# KiCad board Z3660_v023.kicad_pcb (continued)
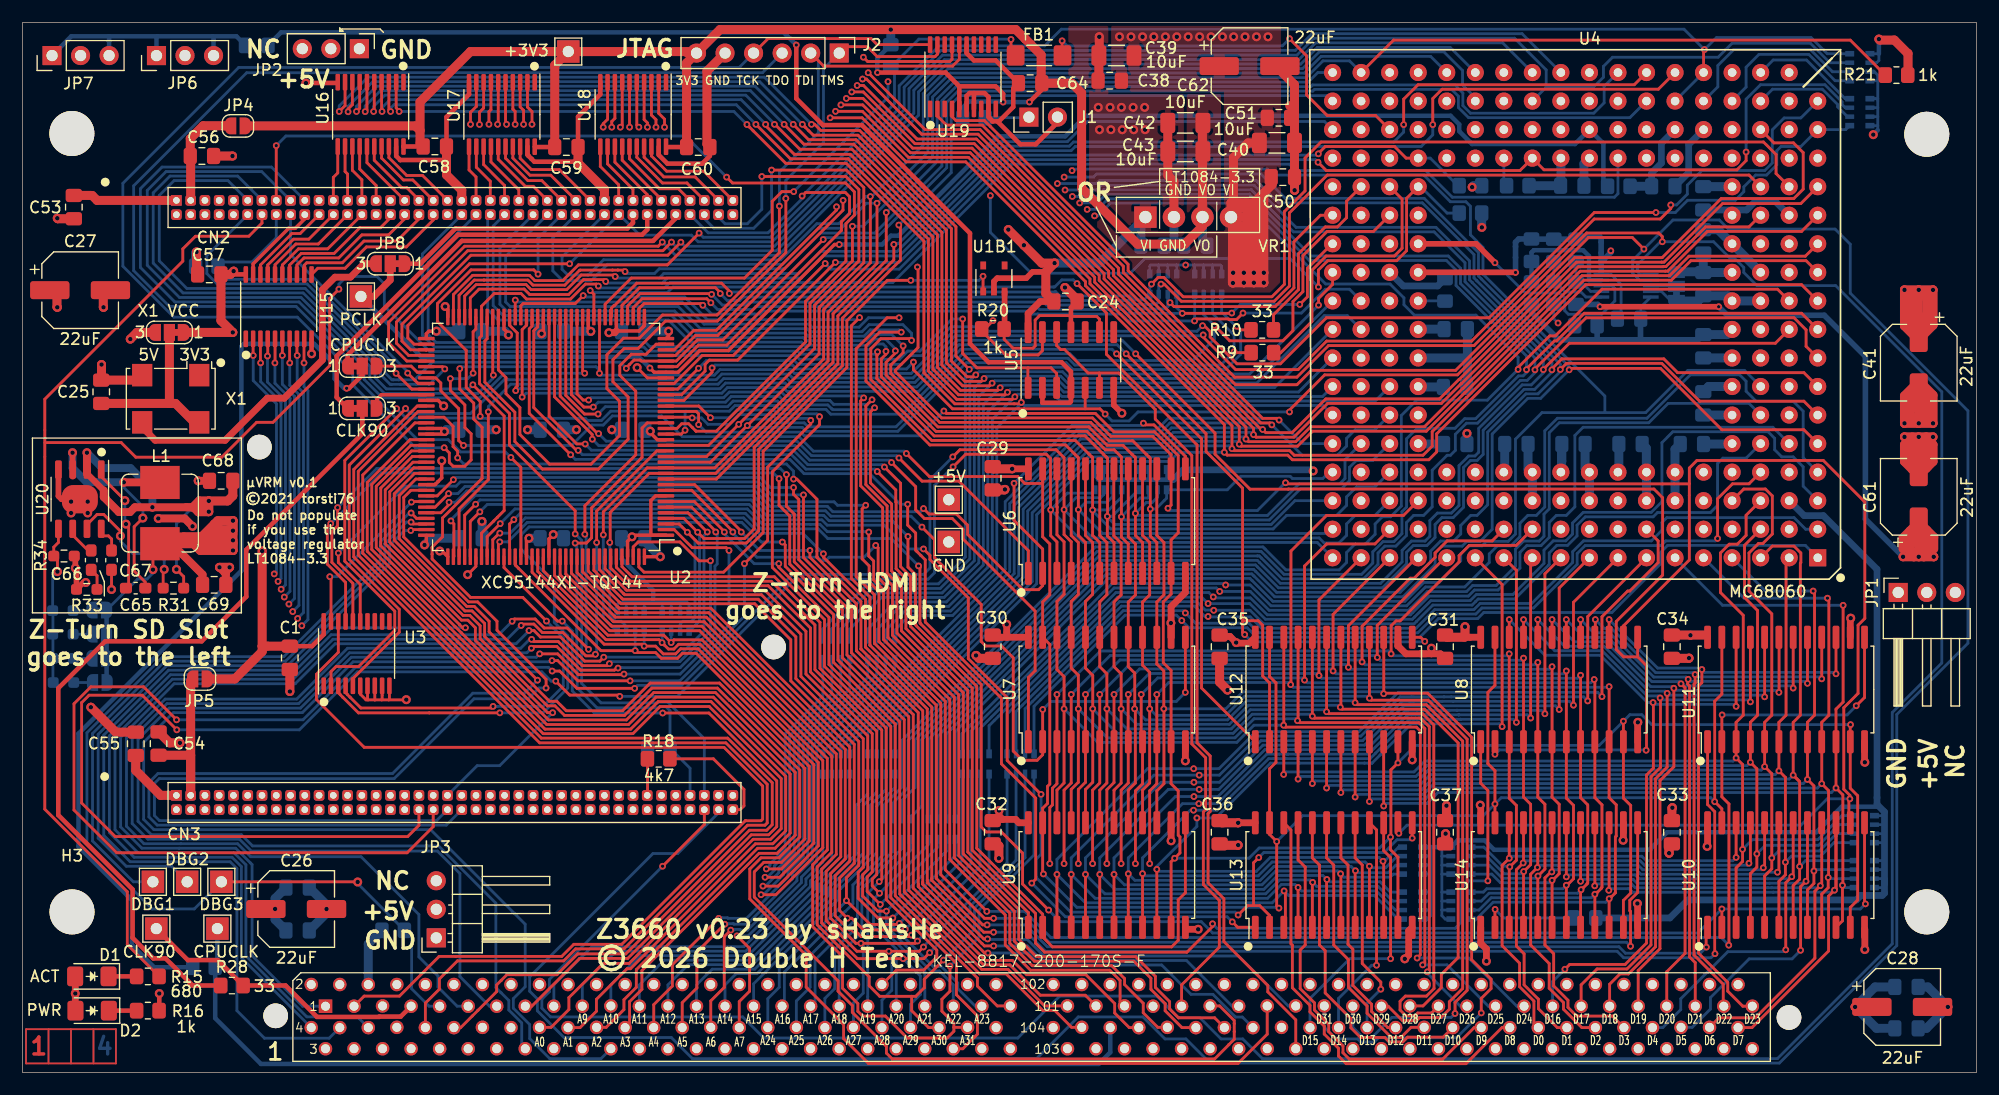
[diagram p0: board, top side]
## Footprints (pads in the part's own frame, mm; a bottom-side part is the same pattern mirrored in y, then rotated) (continued)
PinHeader_2x40_P1.27mm_Vertical_CN3
  rect 0.95x0.95 hole 0.6: 1(2.54,0)
  rrect 0.95x0.95 hole 0.6: 2(1.27,0) 3(2.54,-1.27) 4(1.27,-1.27) 5(2.54,-2.54) 6(1.27,-2.54) 7(2.54,-3.81) 8(1.27,-3.81) 9(2.54,-5.08) 10(1.27,-5.08) 11(2.54,-6.35) 12(1.27,-6.35) 13(2.54,-7.62) 14(1.27,-7.62) 15(2.54,-8.89) 16(1.27,-8.89) 17(2.54,-10.16) 18(1.27,-10.16) 19(2.54,-11.43) 20(1.27,-11.43) 21(2.54,-12.7) 22(1.27,-12.7) 23(2.54,-13.97) 24(1.27,-13.97) 25(2.54,-15.24) 26(1.27,-15.24) 27(2.54,-16.51) 28(1.27,-16.51) 29(2.54,-17.78) 30(1.27,-17.78) 31(2.54,-19.05) 32(1.27,-19.05) 33(2.54,-20.32) 34(1.27,-20.32) 35(2.54,-21.59) 36(1.27,-21.59) 37(2.54,-22.86) 38(1.27,-22.86) 39(2.54,-24.13) 40(1.27,-24.13) 41(2.54,-25.4) 42(1.27,-25.4) 43(2.54,-26.67) 44(1.27,-26.67) 45(2.54,-27.94) 46(1.27,-27.94) 47(2.54,-29.21) 48(1.27,-29.21) 49(2.54,-30.48) 50(1.27,-30.48) 51(2.54,-31.75) 52(1.27,-31.75) 53(2.54,-33.02) 54(1.27,-33.02) 55(2.54,-34.29) 56(1.27,-34.29) 57(2.54,-35.56) 58(1.27,-35.56) 59(2.54,-36.83) 60(1.27,-36.83) 61(2.54,-38.1) 62(1.27,-38.1) 63(2.54,-39.37) 64(1.27,-39.37) 65(2.54,-40.64) 66(1.27,-40.64) 67(2.54,-41.91) 68(1.27,-41.91) 69(2.54,-43.18) 70(1.27,-43.18) 71(2.54,-44.45) 72(1.27,-44.45) 73(2.54,-45.72) 74(1.27,-45.72) 75(2.54,-46.99) 76(1.27,-46.99) 77(2.54,-48.26) 78(1.27,-48.26) 79(2.54,-49.53) 80(1.27,-49.53)
R_0603_1608Metric_Pad0.98x0.95mm_HandSolder
  rrect 0.975x0.95 smd: 1(-0.912,0) 2(0.912,0)
R_0805_2012Metric_Pad1.20x1.40mm_HandSolder
  rrect 1.2x1.4 smd: 1(-1,0) 2(1,0)
R_Array_Convex_4x0603
  rect 0.8x0.5 smd: 1(-0.9,1.2) 4(-0.9,-1.2) 5(0.9,-1.2) 8(0.9,1.2)
  rect 0.8x0.4 smd: 2(-0.9,0.4) 3(-0.9,-0.4) 6(0.9,-0.4) 7(0.9,0.4)
Regulador_DCDC
  rect 2x1.905 hole 1.1: 1(0,0)
  oval 2x1.905 hole 1.1: 2(2.54,0) 3(5.08,0) 4(7.62,0)
small_SolderJumper-2_P1.3mm_Open_RoundedPad1.0x1.5mm
  custom 1x1.5 smd: 1(-0.65,0) 2(0.65,0)
SOIC-8-1EP_3.9x4.9mm_P1.27mm_EP2.514x3.2mm
  rrect 1.625x0.6 smd: 1(-2.638,1.905) 2(-2.638,0.635) 3(-2.638,-0.635) 4(-2.638,-1.905) 5(2.638,-1.905) 6(2.638,-0.635) 7(2.638,0.635) 8(2.638,1.905)
  rrect 2.514x3.2 smd: 9(0,0)
SOIC-14_3.9x8.7mm_P1.27mm
  rrect 1.95x0.6 smd: 1(-2.475,3.81) 2(-2.475,2.54) 3(-2.475,1.27) 4(-2.475,0) 5(-2.475,-1.27) 6(-2.475,-2.54) 7(-2.475,-3.81) 8(2.475,-3.81) 9(2.475,-2.54) 10(2.475,-1.27) 11(2.475,0) 12(2.475,1.27) 13(2.475,2.54) 14(2.475,3.81)
SOIC-24W_7.5x15.4mm_P1.27mm
  rrect 2.05x0.6 smd: 1(-4.65,6.985) 2(-4.65,5.715) 3(-4.65,4.445) 4(-4.65,3.175) 5(-4.65,1.905) 6(-4.65,0.635) 7(-4.65,-0.635) 8(-4.65,-1.905) 9(-4.65,-3.175) 10(-4.65,-4.445) 11(-4.65,-5.715) 12(-4.65,-6.985) 13(4.65,-6.985) 14(4.65,-5.715) 15(4.65,-4.445) 16(4.65,-3.175) 17(4.65,-1.905) 18(4.65,-0.635) 19(4.65,0.635) 20(4.65,1.905) 21(4.65,3.175) 22(4.65,4.445) 23(4.65,5.715) 24(4.65,6.985)
SolderJumper-2_P1.3mm_Open_RoundedPad1.0x1.5mm
  custom 1x1.5 smd: 1(-0.65,0) 2(0.65,0)
SolderJumper-3_P1.3mm_Bridged12_RoundedPad1.0x1.5mm_NumberLabels
  custom 1.05x1.5 smd: 1(-1.3,0) 3(1.3,0)
  rect 1x1.5 smd: 2(0,0)
TestPoint_THTPad_2.0x2.0mm_Drill1.0mm
  rect 2x2 hole 1: 1(0,0)
TQFP-144_20x20mm_P0.5mm
  rrect 1.475x0.3 smd: 1(-10.662,8.75) 2(-10.662,8.25) 3(-10.662,7.75) 4(-10.662,7.25) 5(-10.662,6.75) 6(-10.662,6.25) 7(-10.662,5.75) 8(-10.662,5.25) 9(-10.662,4.75) 10(-10.662,4.25) 11(-10.662,3.75) 12(-10.662,3.25) 13(-10.662,2.75) 14(-10.662,2.25) 15(-10.662,1.75) 16(-10.662,1.25) 17(-10.662,0.75) 18(-10.662,0.25) 19(-10.662,-0.25) 20(-10.662,-0.75) 21(-10.662,-1.25) 22(-10.662,-1.75) 23(-10.662,-2.25) 24(-10.662,-2.75) 25(-10.662,-3.25) 26(-10.662,-3.75) 27(-10.662,-4.25) 28(-10.662,-4.75) 29(-10.662,-5.25) 30(-10.662,-5.75) 31(-10.662,-6.25) 32(-10.662,-6.75) 33(-10.662,-7.25) 34(-10.662,-7.75) 35(-10.662,-8.25) 36(-10.662,-8.75) 73(10.662,-8.75) 74(10.662,-8.25) 75(10.662,-7.75) 76(10.662,-7.25) 77(10.662,-6.75) 78(10.662,-6.25) 79(10.662,-5.75) 80(10.662,-5.25) 81(10.662,-4.75) 82(10.662,-4.25) 83(10.662,-3.75) 84(10.662,-3.25) 85(10.662,-2.75) 86(10.662,-2.25) 87(10.662,-1.75) 88(10.662,-1.25) 89(10.662,-0.75) 90(10.662,-0.25) 91(10.662,0.25) 92(10.662,0.75) 93(10.662,1.25) 94(10.662,1.75) 95(10.662,2.25) 96(10.662,2.75) 97(10.662,3.25) 98(10.662,3.75) 99(10.662,4.25) 100(10.662,4.75) 101(10.662,5.25) 102(10.662,5.75) 103(10.662,6.25) 104(10.662,6.75) 105(10.662,7.25) 106(10.662,7.75) 107(10.662,8.25) 108(10.662,8.75)
  rrect 0.3x1.475 smd: 37(-8.75,-10.662) 38(-8.25,-10.662) 39(-7.75,-10.662) 40(-7.25,-10.662) 41(-6.75,-10.662) 42(-6.25,-10.662) 43(-5.75,-10.662) 44(-5.25,-10.662) 45(-4.75,-10.662) 46(-4.25,-10.662) 47(-3.75,-10.662) 48(-3.25,-10.662) 49(-2.75,-10.662) 50(-2.25,-10.662) 51(-1.75,-10.662) 52(-1.25,-10.662) 53(-0.75,-10.662) 54(-0.25,-10.662) 55(0.25,-10.662) 56(0.75,-10.662) 57(1.25,-10.662) 58(1.75,-10.662) 59(2.25,-10.662) 60(2.75,-10.662) 61(3.25,-10.662) 62(3.75,-10.662) 63(4.25,-10.662) 64(4.75,-10.662) 65(5.25,-10.662) 66(5.75,-10.662) 67(6.25,-10.662) 68(6.75,-10.662) 69(7.25,-10.662) 70(7.75,-10.662) 71(8.25,-10.662) 72(8.75,-10.662) 109(8.75,10.662) 110(8.25,10.662) 111(7.75,10.662) 112(7.25,10.662) 113(6.75,10.662) 114(6.25,10.662) 115(5.75,10.662) 116(5.25,10.662) 117(4.75,10.662) 118(4.25,10.662) 119(3.75,10.662) 120(3.25,10.662) 121(2.75,10.662) 122(2.25,10.662) 123(1.75,10.662) 124(1.25,10.662) 125(0.75,10.662) 126(0.25,10.662) 127(-0.25,10.662) 128(-0.75,10.662) 129(-1.25,10.662) 130(-1.75,10.662) 131(-2.25,10.662) 132(-2.75,10.662) 133(-3.25,10.662) 134(-3.75,10.662) 135(-4.25,10.662) 136(-4.75,10.662) 137(-5.25,10.662) 138(-5.75,10.662) 139(-6.25,10.662) 140(-6.75,10.662) 141(-7.25,10.662) 142(-7.75,10.662) 143(-8.25,10.662) 144(-8.75,10.662)
TSOP-5_1.65x3.05mm_P0.95mm
  rect 0.7x0.51 smd: 1(-1.16,0.95) 2(-1.16,0) 3(-1.16,-0.95) 4(1.16,-0.95) 5(1.16,0.95)
TSSOP-20_4.4x6.5mm_P0.65mm
  rrect 1.475x0.4 smd: 1(-2.862,2.925) 2(-2.862,2.275) 3(-2.862,1.625) 4(-2.862,0.975) 5(-2.862,0.325) 6(-2.862,-0.325) 7(-2.862,-0.975) 8(-2.862,-1.625) 9(-2.862,-2.275) 10(-2.862,-2.925) 11(2.862,-2.925) 12(2.862,-2.275) 13(2.862,-1.625) 14(2.862,-0.975) 15(2.862,-0.325) 16(2.862,0.325) 17(2.862,0.975) 18(2.862,1.625) 19(2.862,2.275) 20(2.862,2.925)
xIP-200
  rect 1.2x1.2 hole 0.8: 1(-62.865,0.953)
  oval 1.2x1.2 hole 0.8: 2(-64.139,-0.978) 3(-62.869,4.737) 4(-64.139,2.857) 5(-60.329,0.953) 6(-61.599,-0.978) 7(-60.329,4.737) 8(-61.599,2.857) 9(-57.789,0.927) 10(-59.059,-0.978) 11(-57.789,4.737) 12(-59.059,2.857) 13(-55.249,0.953) 14(-56.519,-0.978) 15(-55.249,4.737) 16(-56.519,2.832) 17(-52.709,0.953) 18(-53.979,-0.978) 19(-52.709,4.737) 20(-53.979,2.857) 21(-50.169,0.953) 22(-51.439,-0.978) 23(-50.169,4.737) 24(-51.439,2.857) 25(-47.629,0.953) 26(-48.899,-0.978) 27(-47.629,4.737) 28(-48.899,2.832) 29(-45.089,0.953) 30(-46.359,-0.978) 31(-45.089,4.737) 32(-46.359,2.857) 33(-42.549,0.953) 34(-43.819,-0.978) 35(-42.549,4.737) 36(-43.819,2.832) 37(-40.009,0.953) 38(-41.279,-0.978) 39(-40.009,4.737) 40(-41.279,2.857) 41(-37.469,0.927) 42(-38.739,-0.978) 43(-37.469,4.737) 44(-38.739,2.832) 45(-34.929,0.953) 46(-36.199,-0.978) 47(-34.929,4.737) 48(-36.199,2.857) 49(-32.389,0.927) 50(-33.659,-0.978) 51(-32.389,4.737) 52(-33.659,2.857) 53(-29.849,0.953) 54(-31.119,-0.978) 55(-29.849,4.737) 56(-31.119,2.857) 57(-27.309,0.953) 58(-28.579,-0.978) 59(-27.309,4.737) 60(-28.579,2.832) 61(-24.769,0.953) 62(-26.039,-0.978) 63(-24.769,4.737) 64(-26.039,2.857) 65(-22.229,0.953) 66(-23.499,-0.978) 67(-22.229,4.737) 68(-23.499,2.857) 69(-19.689,0.953) 70(-20.959,-0.978) 71(-19.689,4.737) 72(-20.959,2.832) 73(-17.149,0.953) 74(-18.419,-0.978) 75(-17.149,4.737) 76(-18.419,2.857) 77(-14.609,0.953) 78(-15.879,-0.978) 79(-14.609,4.737) 80(-15.879,2.832) 81(-12.069,0.953) 82(-13.339,-0.978) 83(-12.069,4.737) 84(-13.339,2.857) 85(-9.529,0.953) 86(-10.799,-0.978) 87(-9.529,4.737) 88(-10.799,2.832) 89(-6.989,0.953) 90(-8.259,-0.978) 91(-6.989,4.737) 92(-8.259,2.857) 93(-4.449,0.953) 94(-5.719,-0.978) 95(-4.449,4.737) 96(-5.719,2.832) 97(-1.909,0.927) 98(-3.179,-0.978) 99(-1.909,4.737) 100(-3.179,2.857) 101(3.171,0.927) 102(1.901,-0.978) 103(3.171,4.737) 104(1.901,2.857) 105(5.711,0.927) 106(4.441,-0.978) 107(5.711,4.737) 108(4.441,2.832) 109(8.251,0.927) 110(6.981,-0.978) 111(8.251,4.737) 112(6.981,2.857) 113(10.791,0.953) 114(9.521,-0.978) 115(10.791,4.737) 116(9.521,2.857) 117(13.331,0.953) 118(12.061,-0.978) 119(13.331,4.737) 120(12.061,2.832) 121(15.871,0.927) 122(14.601,-0.978) 123(15.871,4.737) 124(14.601,2.857) 125(18.411,0.953) 126(17.141,-0.978) 127(18.411,4.737) 128(17.141,2.857) 129(20.951,0.927) 130(19.681,-0.978) 131(20.951,4.737) 132(19.681,2.857) 133(23.491,0.927) 134(22.221,-0.978) 135(23.491,4.737) 136(22.221,2.832) 137(26.031,0.927) 138(24.761,-0.978) 139(26.031,4.737) 140(24.761,2.857) 141(28.571,0.953) 142(27.301,-0.978) 143(28.571,4.737) 144(27.301,2.857) 145(31.115,0.953) 146(29.841,-0.978) 147(31.111,4.737) 148(29.841,2.857) 149(33.651,0.927) 150(32.381,-0.978) 151(33.651,4.737) 152(32.381,2.857) 153(36.191,0.953) 154(34.921,-0.978) 155(36.191,4.737) 156(34.921,2.832) 157(38.731,0.953) 158(37.461,-0.978) 159(38.731,4.737) 160(37.461,2.857) 161(41.275,0.953) 162(40.001,-0.978) 163(41.271,4.737) 164(40.001,2.857) 165(43.815,0.953) 166(42.541,-0.978) 167(43.811,4.737) 168(42.541,2.857) 169(46.351,0.953) 170(45.081,-0.978) 171(46.351,4.737) 172(45.081,2.857) 173(48.891,0.953) 174(47.621,-0.978) 175(48.891,4.737) 176(47.621,2.857) 177(51.431,0.953) 178(50.161,-0.978) 179(51.431,4.737) 180(50.161,2.857) 181(53.971,0.953) 182(52.701,-0.978) 183(53.971,4.737) 184(52.701,2.857) 185(56.511,0.953) 186(55.241,-0.978) 187(56.511,4.737) 188(55.241,2.857) 189(59.051,0.953) 190(57.781,-0.978) 191(59.051,4.737) 192(57.781,2.832) 193(61.591,0.953) 194(60.321,-0.978) 195(61.591,4.737) 196(60.321,2.832) 197(64.131,0.953) 198(62.861,-0.978) 199(64.131,4.737) 200(62.861,2.857)

## Nets
3.3V_ZTURN1: C54.1 CN3.3 JP5.1
3.3V_ZTURN2: C56.1 CN2.3 JP4.1
+3.3VADC: NT2.2 R22.2 R30.2
+3V3: C1.1 C2.1 C3.1 C4.1 C5.1 C6.1 C7.1 C8.1 C9.1 C10.1 C15.1 C16.1 C17.1 C18.1 C19.1 C20.1 C21.1 C22.1 C23.1 C41.1 C42.1 C43.1 C44.1 C45.1 C46.1 C47.1 C48.1 C49.1 C57.1 C58.1 C59.1 C60.1 C63.1 C64.1 C69.1 J2.6 JP4.2 JP5.2 JP11.1 JP12.3 JP13.1 JP14.1 JP15.1 JP16.1 L1.1 NT2.1 NT4.1 R3.2 R5.1 R6.1 R7.1 R8.1 R11.2 R14.1 R21.2 R27.2 RN1.1 RN1.2 RN11.1 RN11.2 RN11.3 RN11.4 RN12.1 RN12.2 RN12.3 RN12.4 RN13.1 RN13.2 RN13.3 RN13.4 RN14.1 RN14.2 RN14.3 RN14.4 RN15.1 RN15.2 RN15.3 RN15.4 RN16.1 RN16.2 RN16.3 RN16.4 RN17.1 RN17.2 RN17.3 RN17.4 RN18.1 RN18.2 RN18.3 RN18.4 RN19.1 RN19.2 RN19.3 RN19.4 RN20.1 RN20.2 RN20.3 RN20.4 RN21.1 RN21.2 RN21.3 RN21.4 RN22.1 RN22.2 RN22.3 RN22.4 TP1.1 U1.10 U2.1 U2.8 U2.37 U2.42 U2.55 U2.73 U2.84 U2.109 U2.127 U2.141 U3.20 U4.23 U4.27 U4.32 U4.38 U4.41 U4.44 U4.46 U4.48 U4.50 U4.53 U4.74 U4.77 U4.81 U4.82 U4.87 U4.88 U4.100 U4.104 U4.105 U4.107 U4.128 U4.131 U4.134 U4.138 U4.143 U4.152 U4.160 U4.180 U4.181 U4.182 U4.183 U4.184 U4.185 U4.188 U4.189 U4.192 U4.193 U4.195 U4.198 U4.199 U4.207 U15.20 U16.20 U17.20 U18.20 U19.5 VR1.3
+5V: C11.1 C12.1 C13.1 C14.1 C24.1 C26.1 C27.1 C28.1 C29.1 C30.1 C31.1 C32.1 C33.1 C34.1 C35.1 C36.1 C37.1 C38.1 C39.1 C40.1 C50.1 C51.1 C52.1 C53.1 C55.1 C61.1 C62.1 C68.1 CN1.14 CN1.15 CN1.18 CN1.19 CN1.22 CN1.23 CN1.26 CN1.27 CN1.94 CN1.95 CN1.98 CN1.99 CN1.102 CN1.103 CN1.106 CN1.107 CN1.174 CN1.175 CN1.178 CN1.179 CN1.182 CN1.183 CN1.186 CN1.187 CN2.1 CN3.1 D1.2 D2.2 JP1.2 JP2.2 JP3.2 JP6.2 JP7.2 JP11.3 R26.2 R31.2 TP4.1 U1B1.2 U5.14 U6.24 U7.24 U8.24 U9.24 U10.24 U11.24 U12.24 U13.24 U14.24 U20.2 VR1.1 VR1.4
GNDA: NT1.1 NT3.1 R23.1 R24.1 R25.1
VDD18_KEY_BACKUP: CN3.5
VDDIO_13_PL: CN3.15
VDDIO_35_PL: CN2.51
040_BCLK: U4.133
040A0: RN10.4 RN22.6 U2.121
040A1: RN10.3 RN22.5 U2.124
040A2: RN10.2 RN21.8 U2.125
040A3: RN10.1 RN21.7 U2.126
040A4: CN1.52 RN9.4
040A5: CN1.56 RN9.3
040A6: CN1.60 RN9.2
040A7: CN1.64 RN9.1
040A8: CN1.33 RN8.4
040A9: CN1.37 RN8.3
040A10: CN1.41 RN8.2
040A11: CN1.45 RN8.1
040A12: CN1.49 RN7.4
040A13: CN1.53 RN7.3
040A14: CN1.57 RN7.2
040A15: CN1.61 RN7.1
040A16: CN1.65 RN6.4
040A17: CN1.69 RN6.3
040A18: CN1.73 RN6.2
040A19: CN1.77 RN6.1 U2.140
040A20: CN1.81 RN5.4 U2.139
040A21: CN1.85 RN5.3 U2.138
040A22: CN1.89 RN5.2 U2.137
040A23: CN1.93 RN5.1 U2.136
040A24: CN1.68 RN4.4 U2.135
040A25: CN1.72 RN4.3 U2.134
040A26: CN1.76 RN4.2 U2.133
040A27: CN1.80 RN4.1 U2.132
040A28: CN1.84 RN3.4 U2.131
040A29: CN1.88 RN3.3 U2.130
040A30: CN1.92 RN3.2 U2.129
040A31: CN1.96 RN3.1 U2.128
060A0: RN10.5 U4.102 U16.9
060A1: RN10.6 U4.96 U16.8
060A2: RN10.7 U4.89 U16.7
060A3: RN10.8 U4.90 U16.6
060A4: RN9.5 U4.84 U16.5
060A5: RN9.6 U4.78 U16.4
060A6: RN9.7 U4.76 U16.3
060A7: RN9.8 U4.72 U16.2
060A8: RN8.5 U4.66 U17.9
060A9: RN8.6 U4.70 U17.8
060A10: RN8.7 U4.115 U17.7
060A11: RN8.8 U4.111 U17.6
060A12: RN7.5 U4.109 U17.5
060A13: RN7.6 U4.103 U17.4
060A14: RN7.7 U4.97 U17.3
060A15: RN7.8 U4.91 U17.2
060A16: RN6.5 U4.92 U18.9
060A17: RN6.6 U4.85 U18.8
060A18: RN6.7 U4.79 U18.7
060A19: RN6.8 U4.86 U18.6
060A20: RN5.5 U4.73 U18.5
060A21: RN5.6 U4.67 U18.4
060A22: RN5.7 U4.61 U18.3
060A23: RN5.8 U4.75 U18.2
060A24: RN4.5 U4.55 U15.2
060A25: RN4.6 U4.69 U15.3
060A26: RN4.7 U4.62 U15.4
060A27: RN4.8 U4.37 U15.5
060A28: RN3.5 U4.63 U15.6
060A29: RN3.6 U4.19 U15.7
060A30: RN3.7 U4.57 U15.8
060A31: RN3.8 U4.1 U15.9
/CPU and CLK/SIZ60_0: R10.1 U4.119
/CPU and CLK/SIZ60_1: R9.1 U4.118
/ZTURN and 3.3V/BP: CN3.80 R18.2
_040CIOUT: RN2.5 U2.45 U3.4 U4.127
_040EMUL: RN1.8 U2.71 U4.150 U4.166
_040IPEND: U3.5 U4.145
_040RSTI: CN2.12 U2.32 U4.151
_040RSTO: U2.25 U4.129 U5.5
_060IPL0: U2.70 U4.169
_060IPL1: U2.69 U4.168
_060IPL2: U2.68 U4.167
_AS: CN1.133 U2.117
_AVEC: CN1.12 U2.16
_AVEC040: U2.76 U4.172
_BB040: R21.1 U2.17 U4.178
_BERR: CN1.29 U2.119
_BG: CN1.105 U2.101
_BG30: CN1.159
_BG040: U2.77 U4.174
_BGACK: CN1.8 U2.94
_BGACK040: U2.102 U3.19
_BGR040: RN2.7 U2.28 U4.208
_BOSS: CN1.17 DBG3.1 R13.1 U2.105
_BR: CN1.25 U2.6
_BR040: U2.11 U4.179
_BTT: R5.2 U2.26 U4.212
_CBACK: CN1.28
_CBR: CN1.147
_CBREQ: CN1.32
_CEAB: U2.23 U6.11 U7.11 U8.11 U9.11 U10.11 U11.11 U12.11 U13.11 U14.11
_CEBA: U2.80 U6.23 U7.23 U8.23 U9.23 U10.23 U11.23 U12.23 U13.23 U14.23
_CIIN: CN1.132 U2.10
_CIOUT: CN1.101 U3.16
_CLA: R6.2 U4.194
_CLKEN: CN3.75 U2.66 U4.205
_CPURST: CN1.109 U2.9
_DBEN: CN1.104
_DBR16: CN1.78
_DMACOE: U2.103 U14.13
_DS: CN1.97 U2.118
_DSACK0: CN1.91 U2.7
_DSACK1: CN1.1 U2.5
_EBCLR: CN1.113
_ECS: CN1.100
_EMUL: CN1.31 U2.2
_FPUCS: CN1.134
_FPURST: CN1.110
_HLT: CN1.4 U2.35
_INT2: CN1.82 U2.24
_INT6: CN1.43 U2.22
_IOZ2: CN1.67
_IPEND: CN1.116 U3.15
_IPL0: CN1.120 U2.49
_IPL1: CN1.124 U2.50
_IPL2: CN1.128 U2.51
_LOCK: RN21.6 U2.3 U3.3 U4.162
_LOCKE: RN21.5 U2.4 U4.144
_MEMZ2: CN1.66
_OCS: CN1.136
_RAMSLOT: CN1.16
_RESET: CN1.117 U5.6 U5.12
_RMC: CN1.108 U3.17
_SBR: CN1.9
_SNOOP: R7.2 U2.33 U4.200
_STERM: CN1.21 U2.142
_TA: CN2.58 RN22.7 U2.12 U4.175
_TBI: RN1.7 U2.75 U4.155
_TCI: CN2.64 U2.74 U4.171
_TEA: CN2.62 RN22.8 U2.13 U4.157
_TRA: R8.2 U4.209
_TS: CN2.74 FB1.1 R11.1 U2.31
_WAIT: CN1.55
A0: CN1.36 U2.88
A1: CN1.40 U2.91
A2: CN1.44 U2.92
A3: CN1.48 U2.93
BCLK_FPGA: CN3.39 U2.95
CLK90: CN1.13 R28.2 TP10.1
CLK90_CPLD: JP9.3 U2.83
CLK90_FPGA: CN2.68 JP9.1
CLK90_RECVD: CN1.126
CPUCLK: CN1.112 R29.2 TP11.1
CPUCLK_CPLD: JP10.3 U2.79
CPUCLK_FPGA: CN2.72 JP10.1
CPUCLK_RECVD: CN1.135 U2.46
D0: CN1.172 U10.22 U14.22
D1: CN1.176 U10.21 U14.21
D2: CN1.180 U10.20 U14.20
D3: CN1.184 U10.19 U14.19
D4: CN1.188 U10.18 U14.18
D5: CN1.192 U10.17 U14.17
D6: CN1.196 U10.16 U14.16
D7: CN1.200 U10.15 U14.15
D8: CN1.168 U13.22
D9: CN1.164 U13.21
D10: CN1.160 U13.20
D11: CN1.156 U13.19
D12: CN1.152 U13.18
D13: CN1.148 U13.17
D14: CN1.144 U13.16
D15: CN1.140 U13.15
D16: CN1.169 U8.22 U11.22
D17: CN1.173 U8.21 U11.21
D18: CN1.177 U8.20 U11.20
D19: CN1.181 U8.19 U11.19
D20: CN1.185 U8.18 U11.18
D21: CN1.189 U8.17 U11.17
D22: CN1.193 U8.16 U11.16
D23: CN1.197 U8.15 U11.15
D24: CN1.165 U6.22 U7.22 U9.22 U12.22
D25: CN1.161 U6.21 U7.21 U9.21 U12.21
D26: CN1.157 U6.20 U7.20 U9.20 U12.20
D27: CN1.153 U6.19 U7.19 U9.19 U12.19
D28: CN1.149 U6.18 U7.18 U9.18 U12.18
D29: CN1.145 U6.17 U7.17 U9.17 U12.17
D30: CN1.141 U6.16 U7.16 U9.16 U12.16
D31: CN1.137 U6.15 U7.15 U9.15 U12.15
D040_0: CN3.7 RN18.8 U4.39 U10.3 U11.3 U12.3
D040_1: CN3.9 RN18.7 U4.21 U10.4 U11.4 U12.4
D040_2: CN3.11 RN18.6 U4.40 U10.5 U11.5 U12.5
D040_3: CN3.13 RN18.5 U4.2 U10.6 U11.6 U12.6
D040_4: CN3.17 RN17.8 U4.3 U10.7 U11.7 U12.7
D040_5: CN3.19 RN17.7 U4.4 U10.8 U11.8 U12.8
D040_6: CN3.21 RN17.6 U4.5 U10.9 U11.9 U12.9
D040_7: CN3.23 RN17.5 U4.6 U10.10 U11.10 U12.10
D040_8: CN3.27 RN16.5 U4.25 U9.3 U13.3
D040_9: CN3.29 RN16.6 U4.7 U9.4 U13.4
D040_10: CN3.31 RN16.7 U4.8 U9.5 U13.5
D040_11: CN3.33 RN16.8 U4.9 U9.6 U13.6
D040_12: CN3.37 RN15.5 U4.10 U9.7 U13.7
D040_13: CN3.41 RN15.6 U4.11 U9.8 U13.8
D040_14: CN3.43 RN15.7 U4.12 U9.9 U13.9
D040_15: CN3.47 RN15.8 U4.13 U9.10 U13.10
D040_16: CN3.16 RN14.5 U4.29 U7.3 U8.3 U14.3
D040_17: CN3.18 RN14.6 U4.14 U7.4 U8.4 U14.4
D040_18: CN3.20 RN14.7 U4.30 U7.5 U8.5 U14.5
D040_19: CN3.22 RN14.8 U4.15 U7.6 U8.6 U14.6
D040_20: CN3.26 RN13.5 U4.16 U7.7 U8.7 U14.7
D040_21: CN3.28 RN13.6 U4.17 U7.8 U8.8 U14.8
D040_22: CN3.30 RN13.7 U4.34 U7.9 U8.9 U14.9
D040_23: CN3.32 RN13.8 U4.51 U7.10 U8.10 U14.10
D040_24: CN3.36 RN12.8 U4.18 U6.3
D040_25: CN3.38 RN12.7 U4.52 U6.4
D040_26: CN2.52 RN12.6 U4.36 U6.5
D040_27: CN2.54 RN12.5 U4.58 U6.6
D040_28: CN2.42 RN11.8 U4.54 U6.7
D040_29: CN2.44 RN11.7 U4.64 U6.8
D040_30: CN2.46 RN11.6 U4.65 U6.9
D040_31: CN2.48 RN11.5 U4.60 U6.10
Earth: C1.2 C2.2 C3.2 C4.2 C5.2 C6.2 C7.2 C8.2 C9.2 C10.2 C11.2 C12.2 C13.2 C14.2 C15.2 C16.2 C17.2 C18.2 C19.2 C20.2 C21.2 C22.2 C23.2 C24.2 C25.2 C26.2 C27.2 C28.2 C29.2 C30.2 C31.2 C32.2 C33.2 C34.2 C35.2 C36.2 C37.2 C38.2 C39.2 C40.2 C41.2 C42.2 C43.2 C44.2 C45.2 C46.2 C47.2 C48.2 C49.2 C50.2 C51.2 C52.2 C53.2 C54.2 C55.2 C56.2 C57.2 C58.2 C59.2 C60.2 C61.2 C62.2 C63.2 C64.2 C67.1 C68.2 C69.2 CN1.2 CN1.3 CN1.6 CN1.7 CN1.10 CN1.11 CN1.35 CN1.38 CN1.39 CN1.47 CN1.50 CN1.51 CN1.59 CN1.62 CN1.63 CN1.71 CN1.74 CN1.75 CN1.83 CN1.86 CN1.87 CN1.115 CN1.118 CN1.119 CN1.127 CN1.130 CN1.131 CN1.138 CN1.139 CN1.142 CN1.143 CN1.151 CN1.154 CN1.155 CN1.163 CN1.166 CN1.167 CN1.190 CN1.191 CN1.194 CN1.195 CN1.198 CN1.199 CN2.2 CN2.4 CN2.20 CN2.21 CN2.30 CN2.31 CN2.40 CN2.41 CN2.50 CN2.60 CN2.61 CN2.70 CN2.71 CN2.80 CN3.2 CN3.4 CN3.24 CN3.25 CN3.34 CN3.35 CN3.44 CN3.54 CN3.67 CN3.68 J1.2 J2.5 JP1.1 JP2.1 JP3.1 JP12.1 NT1.2 R1.2 R12.2 R13.2 R16.1 R17.1 R18.1 R20.2 R33.2 R34.2 RN1.3 RN1.4 RN2.1 RN2.2 RN2.3 RN2.4 TP8.1 U1.5 U1.9 U1B1.3 U2.18 U2.29 U2.36 U2.47 U2.62 U2.72 U2.89 U2.90 U2.99 U2.108 U2.114 U2.123 U2.144 U3.6 U3.7 U3.8 U3.9 U3.10 U4.20 U4.22 U4.24 U4.26 U4.28 U4.31 U4.33 U4.35 U4.42 U4.43 U4.45 U4.47 U4.49 U4.56 U4.59 U4.68 U4.71 U4.80 U4.83 U4.93 U4.94 U4.98 U4.99 U4.101 U4.106 U4.110 U4.113 U4.122 U4.125 U4.130 U4.132 U4.136 U4.137 U4.139 U4.146 U4.153 U4.154 U4.159 U4.161 U4.165 U4.170 U4.186 U4.187 U4.190 U4.191 U4.206 U5.7 U5.9 U5.11 U6.12 U7.12 U7.14 U8.12 U9.12 U9.14 U10.12 U11.12 U11.14 U12.12 U12.14 U13.12 U14.1 U14.12 U14.14 U15.10 U15.19 U16.10 U16.19 U17.10 U17.19 U18.10 U18.19 U19.6 U19.7 U19.9 U19.15 U20.4 U20.9 VR1.2 X1.2
FC0: CN1.20 U2.85
FC1: CN1.24 U2.86
FC2: CN1.125 U2.87
FPGA_PRESENCE: CN2.16 R17.2 U2.82
I2C0_CLK: CN3.78 U1.7 U19.2
I2C0_SDA: CN3.76 U1.6 U19.4
INT6_ARM: CN3.73 R1.1 U2.21
JTAG_NTRST: CN3.14
LEBUS0: U2.52 U6.1
LEBUS1: U2.53 U7.1
LEBUS2: U2.54 U8.1
LEBUS3: U2.56 U9.1
LEBUS4: U2.57 U13.1
LEBUS5: U2.58 U12.1
LEBUS6: U2.59 U11.1
LEBUS7: U2.60 U10.1
LEBUS_DMA: U2.34 U6.14 U8.14 U10.14 U13.14
LED: CN2.14 R15.1 U5.1 U5.3
LEDR: JP6.1 JP6.3 JP7.1 JP7.3 R19.2
nTBI_FPGA: CN3.42 U2.98
nTS_FPGA: CN3.40 U2.100
OEBUS0: U2.104 U6.2 U6.13
OEBUS1: U2.110 U7.2 U7.13
OEBUS2: U2.111 U8.2 U8.13
OEBUS3: U2.112 U9.2 U9.13
OEBUS4: U2.113 U13.2 U13.13
OEBUS5: U2.61 U12.2 U12.13
OEBUS6: U2.116 U11.2 U11.13
OEBUS7: U2.120 U10.2 U10.13
PCLK: JP8.2 R12.1 TP9.1 U2.30 U4.135
PCLK_FPGA: CN2.66 JP8.1
PCLK_OSC: JP8.3 X1.3
PS_MIO0: CN2.11 U2.78
PS_MIO8: CN2.13 U2.115
PS_MIO9: CN2.15 U2.20
PS_MIO12: CN2.17 U2.64
PS_MIO13: CN2.19 U2.48
PS_MIO15: CN2.18 U2.81
PUP_4: R14.2 U14.2
R_W: CN1.5 U3.18
R_W040: CN2.56 RN20.7 U2.19 U3.2 U4.112
READLT: CN1.79
RESETOUT: R20.1 U2.27 U5.13
SIZ0: CN1.121 U2.97
SIZ1: CN1.129 U2.96
SIZ40_0: CN2.76 R10.2 RN20.5 U2.14
SIZ40_1: CN2.78 R9.2 RN20.6 U2.15
TCK: J2.4 U2.67 U19.20
TDI: J2.2 U2.63 U19.16
TDO: J2.3 U2.122 U19.17
THERM_N: NT3.2 U4.196
THERM_P: R30.1 U1.3 U4.197
TM0: RN19.6 U2.40 U4.114
TM1: RN19.5 U2.39 U4.108
TM2: RN20.8 U2.38 U4.95
TMS: J2.1 U2.65 U19.19
TT0: RN19.7 U2.41 U4.117
TT1: RN19.8 U2.43 U4.116
V_DETECTOR: U1B1.1 U2.143
XADC_GND: CN2.10
XADC_INN0: CN2.7
XADC_INP0: CN2.5
XADC_TEMP_N: CN2.8
XADC_TEMP_P: CN2.6
XADC_VCC: CN2.9
Net-(C66-Pad1): C66.1 R33.1
Net-(CN2-Pin_22): CN2.22 U15.18
Net-(CN2-Pin_23): CN2.23 U16.11
Net-(CN2-Pin_24): CN2.24 U15.17
Net-(CN2-Pin_25): CN2.25 U16.12
Net-(CN2-Pin_26): CN2.26 U15.16
Net-(CN2-Pin_27): CN2.27 U16.13
Net-(CN2-Pin_28): CN2.28 U15.15
Net-(CN2-Pin_29): CN2.29 U16.14
Net-(CN2-Pin_32): CN2.32 U15.14
Net-(CN2-Pin_33): CN2.33 U16.15
Net-(CN2-Pin_34): CN2.34 U15.13
Net-(CN2-Pin_35): CN2.35 U16.16
Net-(CN2-Pin_36): CN2.36 U15.12
Net-(CN2-Pin_37): CN2.37 U16.17
Net-(CN2-Pin_38): CN2.38 U15.11
Net-(CN2-Pin_39): CN2.39 U16.18
Net-(CN2-Pin_43): CN2.43 U17.11
Net-(CN2-Pin_45): CN2.45 U17.12
Net-(CN2-Pin_47): CN2.47 U17.13
Net-(CN2-Pin_49): CN2.49 U17.14
Net-(CN2-Pin_53): CN2.53 U17.15
Net-(CN2-Pin_55): CN2.55 U17.16
Net-(CN2-Pin_57): CN2.57 U17.17
Net-(CN2-Pin_59): CN2.59 U17.18
Net-(CN2-Pin_63): CN2.63 U18.11
Net-(CN2-Pin_65): CN2.65 U18.12
Net-(CN2-Pin_67): CN2.67 U18.13
Net-(CN2-Pin_69): CN2.69 U18.14
Net-(CN2-Pin_73): CN2.73 U18.15
Net-(CN2-Pin_75): CN2.75 U18.16
Net-(CN2-Pin_77): CN2.77 U18.17
Net-(CN2-Pin_79): CN2.79 U18.18
Net-(D1-K): D1.1 R15.2
Net-(D2-K): D2.1 R16.2
Net-(J1-A): J1.1 R3.1 U2.44
Net-(JP9-C): JP9.2 R28.1
Net-(JP10-C): JP10.2 R29.1
Net-(JP11-C): C25.1 JP11.2 X1.4
Net-(JP12-C): JP12.2 U1.8
Net-(JP13-B): JP13.2 NT4.2 R32.2
Net-(JP14-B): JP14.2 R35.2
Net-(JP15-B): JP15.2 R36.2
Net-(JP16-B): JP16.2 R37.2
Net-(R19-Pad1): R19.1 U5.2 U5.4
Net-(RN1-R3.2): RN1.6 U4.149
Net-(RN1-R4.2): RN1.5 U4.148
Net-(RN2-R1.2): RN2.8 U4.164
Net-(RN2-R3.2): RN2.6 U4.147
Net-(U1-V1): R23.2 R27.1 U1.1
Net-(U1-V2): R25.2 R26.1 U1.2
Net-(U1-V4): R22.1 R24.2 U1.4
Net-(U2-P106): DBG1.1 U2.106
Net-(U2-P107): DBG2.1 U2.107
Net-(U4-~{TS}): FB1.2 U4.142
Net-(U20-BS): C65.1 U20.1
Net-(U20-COMP): C66.2 U20.6
Net-(U20-EN): R31.1 U20.7
Net-(U20-FB): R32.1 R34.1 R35.1 R36.1 R37.1 U20.5
Net-(U20-SS): C67.2 U20.8
Net-(U20-SW): C65.2 L1.2 U20.3

Pads without a net: CN1 30 34 42 46 54 58 70 90 111 114 122 123 146 150 158 162 170 171; CN3 6 8 10 12 45 46 48 49 50 51 52 53 55 56 57 58 59 60 61 62 63 64 65 66 69 70 71 72 74 77 79; JP1 3; JP2 3; JP3 3; U1B1 4 5; U3 1 11 12 13 14; U4 0 120 121 123 124 126 140 141 156 158 163 173 176 177 201 202 203 204 210 211; U5 8 10; U15 1; U16 1; U17 1; U18 1; U19 1 3 8 10 11 12 13 14 18; X1 1

## Via types
v1: diameter 0.8, hole 0.4, Top to Bottom, 168 vias
v2: diameter 0.6, hole 0.3, Top to Bottom, 583 vias

## Routing (per net, layer and track width the routed paths; a pad name or vN(x,y) marks a point on that pad's centre or on a via; arc(x,y) is an arc through that point)
3.3V_ZTURN1: length 16.9
  Top w0.8: JP5.1 14.97,34.84 CN3.3 14.97,28.23 C54.1
3.3V_ZTURN2: length 9
  Top w0.8: CN2.3 14.97,81.52 ; C56.1 14.94,83.1 16.08,84.25 17.95,84.25 17.97,84.23
+3.3VADC: length 10.4
  Bottom w0.5: 140.21,65.2 136.75,65.2 134.32,67.64 R22.2 ; 140.21,65.2 NT2.2 ; 140.21,65.2 140.16,65.25 R30.2
+3V3: length 607.5
  Top w0.25: v1(11.62,44.75) 11.62,46.44
  Top w0.3: U2.42 52.86,65.99 54.89,65.99 55.29,66.39 55.29,66.41 55.36,66.48 U2.37 ; v1(37.49,59.31) 36.99,59.81 U2.84 ; v1(37.13,46.4) 37.36,46.4 U2.109 ; v1(36.84,65.96) 36.17,65.96 35.95,65.74 U2.73 ; v1(47.24,47.87) 46.86,47.48 U2.127 ; v1(46.2,65.74) 46.36,65.9 U2.55 ; U2.141 53.86,47.28 v1(54.25,47.67) 54.39,47.81 U2.1 55.94,47.81 55.93,47.82 55.93,50.9 56.35,51.31 U2.8
  Top w0.4: U17.20 45.63,82.35 C59.1 ; U3.20 26.81,38.98 25.77,37.94 C1.1 ; U19.5 83.39,87.75 ; U16.20 33.91,82.4 C58.1 ; v2(89.63,86.36) 90.67,87.4 90.67,87.46 ; 83.39,87.75 86.61,87.75 87.29,87.08 v2(87.29,86.36) ; 83.39,87.75 82.16,88.98 v2(76.11,88.98) ; C60.1 57.38,82.35 ; C57.1 19.78,71.02
  Top w0.6: v1(52.2,65.83) 52.7,65.83 52.86,65.99
  Top w0.7: 18.74,47.06 18.29,46.61 16.29,46.61 ; 18.74,47.06 18.74,47.92 ; 18.74,47.06 17.19,47.06 16.54,47.7 ; 14.34,47.7 16.54,47.7 ; 14.34,47.7 18.53,47.7 18.74,47.92 ; 14.34,47.7 12.49,47.7 12.24,47.45 L1.1 ; 18.74,47.92 18.3,48.36 17.19,48.36 16.54,47.7 ; C69.1 16.03,44.32 13.29,47.06 L1.1 ; L1.1 11.62,46.44
  Top w0.8: 90.67,87.7 90.67,90.55 89.74,91.49 89.74,91.49 89.27,91.96 89.27,91.96 88.42,92.81 v1(77.29,92.81) 62.09,92.8 J2.6 ; 15.24,47.06 18.74,47.06 ; 15.24,47.06 17.88,47.06 18.74,47.92 ; 15.24,47.06 L1.1 ; 15.24,47.06 15.84,46.45 v1(18.74,46.45) ; C1.1 21.35,37.94 ; 35.39,83.82 34.97,84.23 JP4.2 ; 35.39,83.82 35.39,86.36 39.88,90.85 TP1.1 ; 35.39,83.82 35.39,82.68 C58.1 ; v1(18.74,46.45) v1(18.74,49.11) v1(18.74,48.22) ; v1(18.74,46.45) 18.74,47.16 17.09,48.81 ; 169.29,66.47 169.54,66.72 169.54,68.88 v1(168.78,69.64) 168.15,69.01 168.15,66.59 168.4,66.34 168.4,66.21 ; 167.83,90.66 166.61,91.87 165.32,91.87 v1(165.24,91.96) ; C60.1 59.11,89.83 J2.6 ; JP5.2 18.9,35.02 21.34,37.46 21.34,37.92 21.35,37.94 ; C42.1 105.03,84.46 VR1.3 105.03,75.31 103.44,73.72 99.25,73.72 94.27,78.69 94.27,87.16 93.4,88.03 C64.1 ; 168.75,65.2 170.05,66.5 v1(170.05,69.64) v1(167.51,69.64) 167.51,66.44 168.75,65.2 ; 168.75,65.2 168.75,69.61 ; v1(21.34,46.4) 21.34,37.95 21.35,37.94 ; TP1.1 59.86,90.85 J2.6 ; TP1.1 47.37,89.64 C59.1 ; J2.6 59.99,90.71 59.23,90.71 59.24,90.72 J2.6 ; 17.09,48.81 15.99,47.7 ; 17.09,48.81 17.39,49.11 18.76,49.11 ; 167.83,90.7 167.83,88.78 R21.2 ; 167.54,66.47 168.78,65.23 ; JP11.1 v1(18.72,65.86) 17.67,66.91 C57.1 18.51,71.02 v1(18.8,71.31)
  Bottom w0.25: 105.94,71.86 106.64,71.86 106.74,71.75 RN20.4 ; 105.94,71.86 RN20.3 ; 105.94,71.86 105.14,71.86 ; RN22.3 54.54,41.86 ; 54.54,41.86 55.34,41.86 ; 54.54,41.86 53.74,41.86 ; 165.74,18.06 165.74,18.86 ; 165.74,18.06 RN17.2 ; 165.74,18.06 165.74,17.26 RN17.3 ; 165.74,18.86 RN17.1 ; 165.74,18.86 165.74,20.45 ; 165.74,22.06 165.74,22.66 165.54,22.86 RN18.1 ; 165.74,22.06 RN18.2 ; 165.74,22.06 165.74,21.26 ; RN16.1 125.34,16.06 ; 125.34,16.06 125.34,15.26 ; 125.34,16.06 125.34,17.66 ; RN16.4 125.04,13.66 125.34,13.95 125.34,14.45 ; RN22.1 52.94,41.66 53.14,41.86 53.74,41.86 ; 104.34,71.86 v2(103.54,71.86) 102.74,71.86 ; 104.34,71.86 RN20.1 ; 104.34,71.86 105.14,71.86 ; U1.10 144.04,68.11 C63.1 ; RN19.3 101.94,71.86 ; 101.94,71.86 101.14,71.86 ; 101.94,71.86 102.74,71.86 ; RN14.3 126.34,19.26 ; 126.34,19.26 126.34,19.86 ; 126.34,19.26 126.34,18.45 ; 53.74,41.86 RN22.2 ; RN12.4 97.84,52.76 ; RN18.4 165.74,20.45 ; 165.74,20.45 165.74,21.26 ; 125.34,17.66 125.34,18.45 ; 125.34,17.66 RN15.4 ; 125.34,18.45 RN15.3 ; 125.34,18.45 125.34,19.26 ; RN20.2 105.14,71.86 ; 101.14,71.86 RN19.2 ; 101.14,71.86 100.44,71.86 100.34,71.75 RN19.1 ; 125.34,15.26 RN16.2 ; 125.34,15.26 125.34,14.45 ; RN21.4 59.34,41.66 59.14,41.86 58.54,41.86 ; 165.74,21.26 RN18.3 ; 126.34,14.45 126.34,13.95 126.64,13.66 RN13.1 ; 126.34,14.45 RN13.2 ; 126.34,14.45 126.34,15.26 ; 126.34,16.06 126.34,17.66 ; 126.34,16.06 126.34,15.26 ; 126.34,16.06 RN13.4 ; 126.34,17.66 RN14.1 ; 126.34,17.66 126.34,18.45 ; 58.54,41.86 57.74,41.86 ; 58.54,41.86 RN21.3 ; RN12.3 97.04,52.76 ; RN1.2 165.04,89.86 165.24,90.06 165.24,90.66 RN1.1 ; RN16.3 125.34,14.45 ; 56.94,41.86 55.34,41.86 ; 56.94,41.86 57.74,41.86 ; 56.94,41.86 RN21.1 ; 126.34,15.26 RN13.3 ; RN15.2 125.34,19.26 ; 125.34,19.26 125.34,20.06 ; RN11.4 101.84,52.76 ; RN12.1 95.44,53.06 95.74,52.76 ; 165.74,16.76 165.74,16.45 RN17.4 ; RN11.3 101.04,52.76 ; 55.34,41.86 RN22.4 ; 102.74,71.86 RN19.4 ; R27.2 136.3,67.08 v2(136.68,66.7) ; RN21.2 57.74,41.86 ; RN14.2 126.34,18.45 ; RN11.2 100.24,52.76 ; v1(11.62,44.75) 11.62,44.44 11.09,43.91 10.24,43.91 JP13.1 ; RN12.2 96.24,52.76 ; 126.64,20.06 126.44,20.06 ; RN11.1 99.44,52.76
  Bottom w0.3: v1(47.24,47.87) 47.83,47.87 C9.1
  Bottom w0.4: v1(54.25,47.67) 54.13,47.54 C10.1 53.32,45.71 56.14,42.9 56.14,41.86 ; JP13.1 7.49,34.76 JP16.1 ; 95.74,52.76 102.44,52.76 ; 87.29,86.41 84.24,86.41 83.69,85.86 R3.2 ; 87.29,86.41 87.34,86.36 v2(89.63,86.36) ; 87.29,86.41 v2(87.29,86.36) ; RN15.1 RN14.4 127.74,20.66 130.15,20.66 130.99,19.82 144.82,19.82 146.38,21.38 159.66,21.38 161.94,23.66 165.07,23.66 ; v1(165.24,91.96) 165.24,90.66 ; v2(76.11,88.98) 76.08,89 76.08,90.25 R11.2
  Bottom w0.5: 144.02,65.2 144.02,67.06 C63.1 ; 144.02,65.2 NT2.1 ; 144.02,65.2 149.14,65.2 C15.1
  Bottom w0.6: U4.38 158.58,49.56 160.29,49.56 165.07,44.78 165.07,23.86 165.74,23.19 165.74,16.76 ; R6.1 125.97,69.99 122.9,69.99 121.69,71.2 ; v1(114.88,53.53) 114.78,53.63 103.31,53.63 102.44,52.76 ; 165.74,17.26 165.74,15.95 165.54,15.76 163.64,15.76 163.24,15.36 148.24,15.36 146.64,13.76 R14.1 ; C3.1 53.19,65.83 v1(52.2,65.83) ; 149.63,83.9 148.3,82.58 148.3,80.07 148.29,80.07 C46.1
  Bottom w0.8: C22.1 124.27,55.93 U4.185 ; C47.1 152.17,78.83 ; 152.17,78.83 U4.199 152.17,78.83 ; R5.1 129.16,78.91 v1(129.03,78.79) ; C19.1 131.93,53.5 131.85,53.42 ; U4.184 152.13,55.93 C18.1 ; C8.1 40.92,49.02 v1(40.89,49.04) ; U4.189 124.27,61.01 C16.1 ; C21.1 149.63,71.21 149.61,71.21 ; C21.1 C48.1 ; C21.1 149.54,71.25 JP12.3 ; C21.1 152.15,71.19 U4.195 ; C7.1 v1(52.45,57.2) ; U4.207 136.93,78.94 C45.1 R8.1 ; U4.181 136.99,53.48 136.99,54.37 ; U4.193 124.26,66.15 C49.1 ; U4.192 151.71,65.66 C15.1 ; U4.180 142.09,53.5 C20.1 ; C44.1 105.03,73.98 VR1.3 ; 136.99,54.37 137.01,54.39 C23.1 ; 136.99,54.37 136.99,55.26 ; v1(129.9,75.2) 129.88,75.22 R7.1 ; R11.2 v1(77.29,92.81) ; C5.1 v1(42.16,57.2) ; U4.188 150.07,61.04 C17.1 ; C4.1 36.84,65.96 v1(36.84,65.96) ; C6.1 v1(44.96,57.2)
  vias: v1(18.74,47.36)
